# Altium PCB RaspberryHub.PcbDoc (part 1 of 2) (continued)
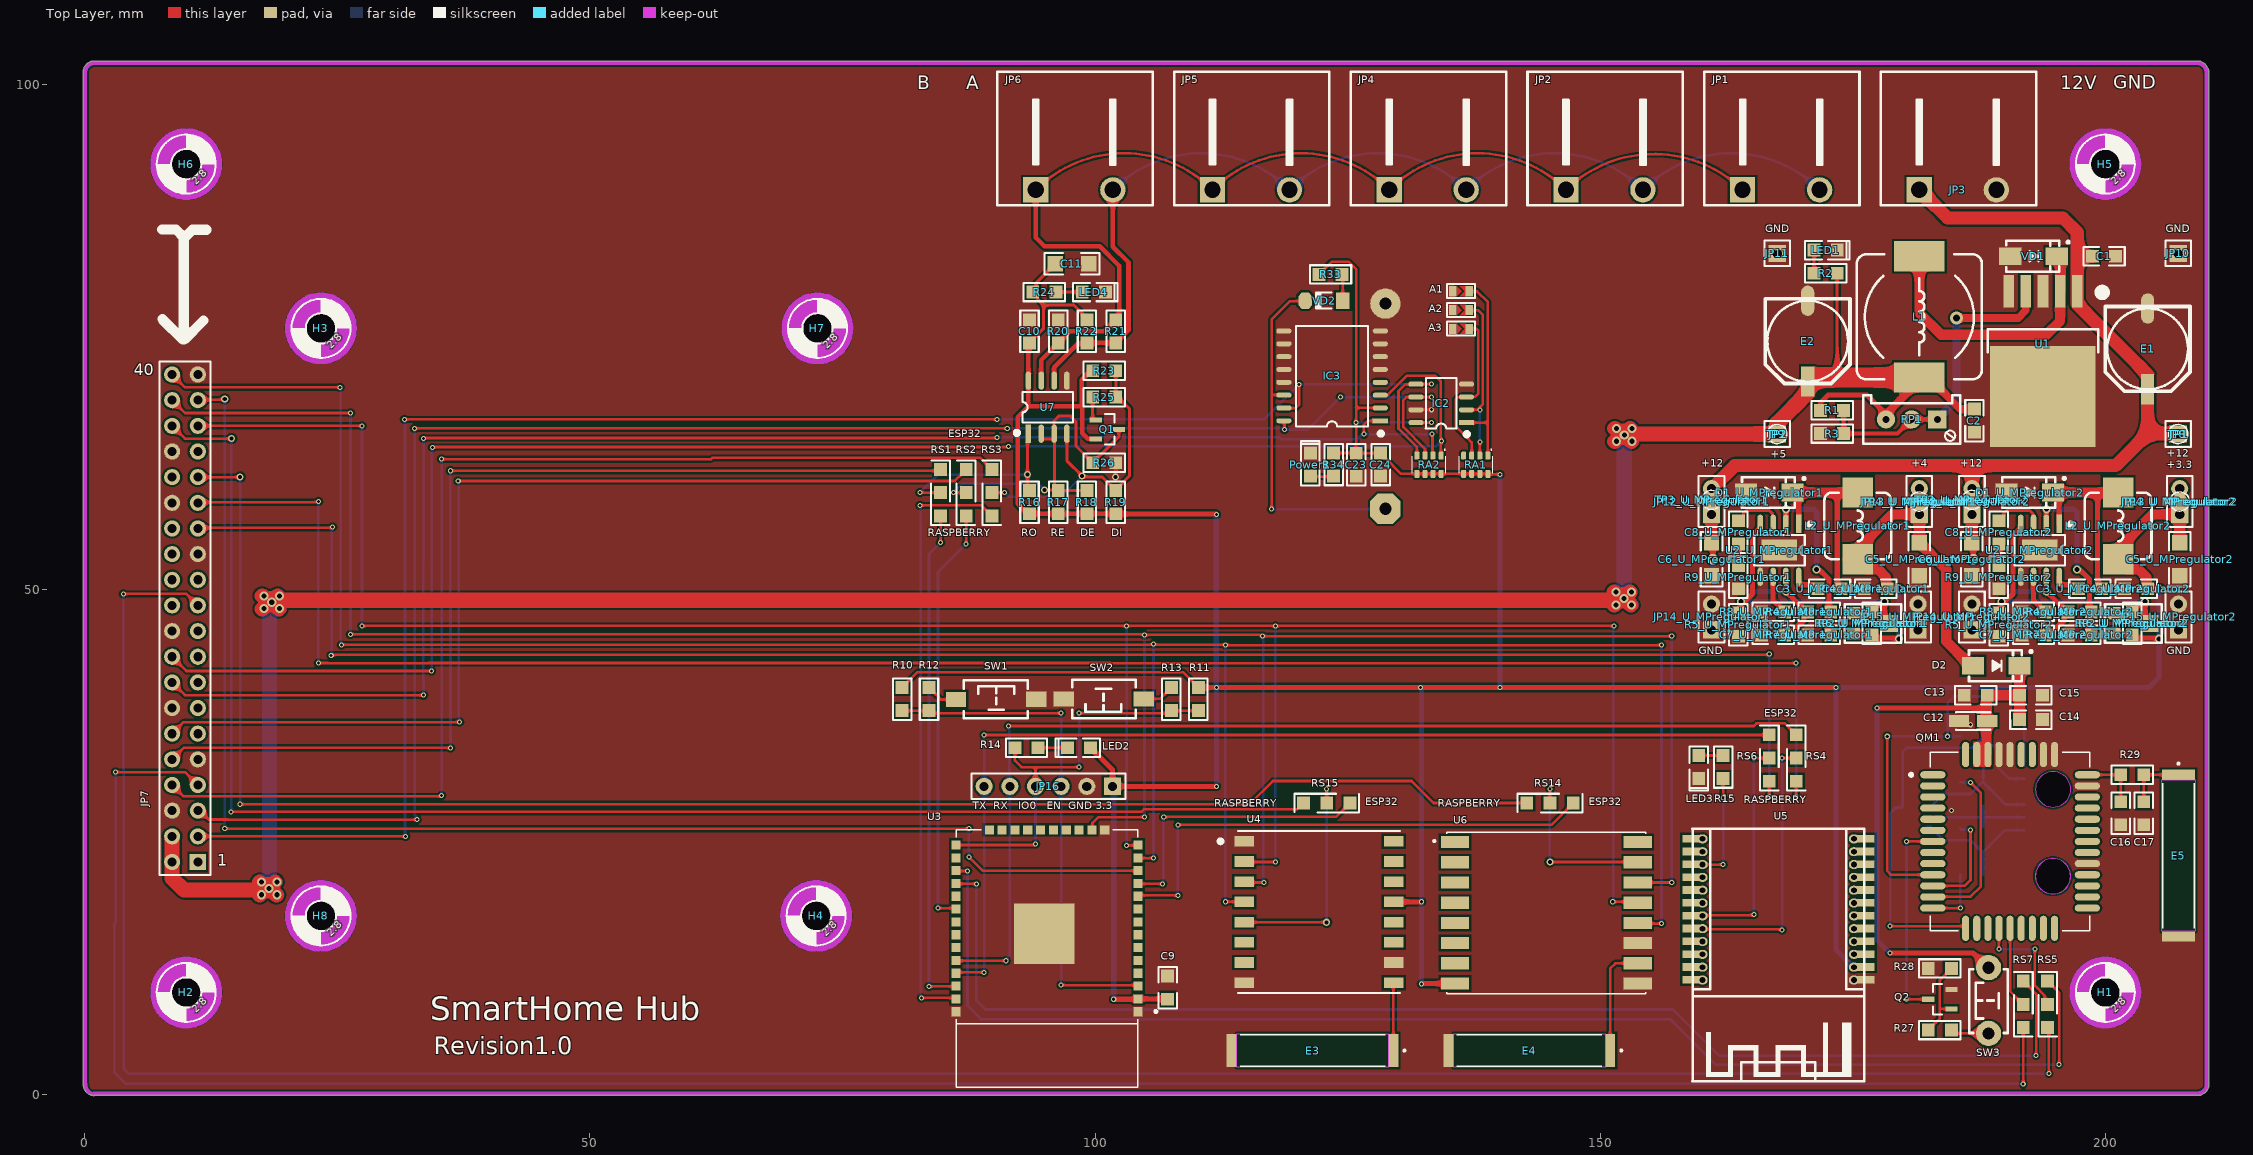
[diagram p0: Top Layer view]
## Components (designator, comment, footprint, x,y, rotation, side; value= is the part's Value field where it differs from the comment) (continued)
R3 "1K" "R 0805" 172.974,65.405 r0 top
R4_U_MPregulator1 "100K" "R 0805" 171.704,47.752 r180 top (schematic designator R4)
R4_U_MPregulator2 "100K" "R 0805" 197.485,47.752 r180 top (schematic designator R4)
R5_U_MPregulator1 "8.2K" "R 0805" 163.703,46.482 r90 top (schematic designator R5)
R5_U_MPregulator2 "8.2K" "R 0805" 189.484,46.482 r90 top (schematic designator R5)
R6_U_MPregulator1 "91K" "R 0805" 176.911,46.609 r270 top (schematic designator R6)
R6_U_MPregulator2 "91K" "R 0805" 202.692,46.609 r270 top (schematic designator R6)
R7_U_MPregulator1 "100K" "R 0805" 171.704,45.466 r180 top (schematic designator R7)
R7_U_MPregulator2 "100K" "R 0805" 197.485,45.466 r180 top (schematic designator R7)
R8_U_MPregulator1 "100K" "R 0805" 167.132,47.752 r0 top (schematic designator R8)
R8_U_MPregulator2 "100K" "R 0805" 192.913,47.752 r0 top (schematic designator R8)
R9_U_MPregulator1 "100K" "R 0805" 163.703,51.181 r90 top (schematic designator R9)
R9_U_MPregulator2 "100K" "R 0805" 189.484,51.181 r90 top (schematic designator R9)
R10 "10K" "R 0805" 80.899,39.116 r90 top
R11 "10K" "R 0805" 110.236,39.116 r90 top
R12 "1K" "R 0805" 83.566,39.116 r270 top
R13 "1K" "R 0805" 107.569,39.116 r270 top
R14 "1K" "R 0805" 93.218,34.29 r180 top
R15 "1K" "R 0805" 162.179,32.385 r90 top
R16 "10K" "R 0805" 93.515,58.614 r270 top
R17 "10K" "R 0805" 96.36,58.614 r270 top
R18 "10K" "R 0805" 99.206,58.614 r270 top
R19 "10K" "R 0805" 102.051,58.614 r270 top
R20 "120" "R 0805" 96.36,75.514 r270 top
R21 "120" "R 0805" 102.051,75.514 r270 top
R22 "120" "R 0805" 99.205,75.514 r90 top
R23 "220K" "R 0805" 100.915,71.614 r0 top
R24 "1K" "R 0805" 94.98,79.414 r0 top
R25 "7.5K" "R 0805" 100.915,69.014 r180 top
R26 "20K" "R 0805" 100.915,62.514 r180 top
R27 "4.7K" "R 0805" 183.642,6.35 r180 top
R28 "47K" "R 0805" 183.642,12.446 r0 top
R29 "Value" "R 0805" 202.692,31.623 r0 top
R30 "22" "R 0805" 186.817,30.861 r0 bottom
R31 "22" "R 0805" 186.817,26.289 r0 bottom
R32 "22" "R 0805" 186.817,21.717 r0 bottom
R33 "220" "R 0805" 123.317,81.153 r180 top
R34 "1K" "R 0805" 123.621,62.337 r90 top
RA1 "4.7K" "RA1206 (4x0603)" 137.696,62.312 r270 top
RA2 "4.7K" "RA1206 (4x0603)" 133.071,62.312 r270 top
RP1 "10K" 3296W 180.848,66.802 r180 top
RP2_U_MPregulator1 "50K" 3303W 176.911,46.609 r270 top (schematic designator RP2)
RP2_U_MPregulator2 "50K" 3303W 202.692,46.609 r270 top (schematic designator RP2)
RS1 "Resistor Selector" "RS 0805" 84.709,60.706 r270 top
RS2 "Resistor Selector" "RS 0805" 87.249,60.706 r270 top
RS3 "Resistor Selector" "RS 0805" 89.789,60.706 r270 top
RS4 "Resistor Selector" "RS 0805" 169.418,32.131 r90 top
RS5 "Resistor Selector" "RS 0805" 194.31,7.747 r90 top
RS6 "Resistor Selector" "RS 0805" 166.751,32.131 r90 top
RS7 "Resistor Selector" "RS 0805" 191.897,7.747 r90 top
RS14 "Resistor Selector" "RS 0805" 143.891,28.829 r0 top
RS15 "Resistor Selector" "RS 0805" 121.793,28.829 r0 top
"Sim Holder1" "Micro Sim Card" "Micro Sim Card" 209.483,35.662 r270 bottom
SW1 "3x6x5" "TSW SMD-3*6*2.5" 90.238,39.096 r0 top
SW2 "3x6x5" "TSW SMD-3*6*2.5" 100.838,39.116 r180 top
SW3 "3x6x5" "TSW DIP-3*6*5" 188.468,9.271 r90 top
TP1 "Test Point Pad" TP15 207.236,65.356 r180 top
TP2 "Test Point Pad" TP15 167.541,65.356 r180 top
TP3_U_MPregulator1 "Test Point Pad" TP15 161.036,58.835 r0 top (schematic designator TP3)
TP3_U_MPregulator2 "Test Point Pad" TP15 186.817,58.835 r0 top (schematic designator TP3)
TP4_U_MPregulator1 "Test Point Pad" TP15 181.61,58.674 r90 top (schematic designator TP4)
TP4_U_MPregulator2 "Test Point Pad" TP15 207.391,58.674 r90 top (schematic designator TP4)
U1 "LM2596-ADJ" TO263-5A 193.851,79.502 r180 top
U2_U_MPregulator1 "" SOP8_N-EP 167.767,53.848 r270 top (schematic designator U2)
U2_U_MPregulator2 "" SOP8_N-EP 193.548,53.848 r270 top (schematic designator U2)
U3 "ESP32S" ESP32S 126.566,26.196 r180 top
U4 "RFM95W-868S2" XCVR_RFM95W-868S2 122.174,18.034 r0 top
U5 "ZG-Mxx" ZG-M0/M1/M1E 176.172,26.297 r180 top
U6 "RFM69HW" RFM69HW 144.661,17.954 r0 top
U7 "MAX485" SOP8_N 95.315,68.014 r90 top
VD1 "SS34" SMA 192.913,82.962 r0 top
VD2 "1N4148" "MINI_MELF (LL34)" 122.671,78.562 r180 top

## Footprints (in the part's own frame and the unit in brackets; to place one, negate y for a bottom-side part, rotate by r counter-clockwise, add the part's x,y. Pads: shape width x height; smd on the part's side, far side on the other; paste and mask are expansions set on the pad)
3296W [mm] "Precise Multi-Winding Adjustable Resistor"
  rect 1.8x1.8 hole 0.7: 1(-2.54,0)
  round 1.8 hole 0.7: 2(2.54,0) ADJ(0,0)
  silkscreen extent -4.8,-2.4 4.8,2.4, body extent -4.75,-2.4 4.75,2.4, height 11.52
3303W [mm] "3.5*3.1*1.5mm"
  rect 1.2x1.3 smd: 1(-1,-1.8) 2(1,-1.8)
  rect 1.7x1.6 smd: ADJ(0,1.8)
  silkscreen extent -1.9,-2.7 1.9,2.9, body extent -1.55,-2.06 1.55,2.05, height 1.45
"C 0805" [mil] "ï؟½ق¼ï؟½ï؟½ï؟½ï؟½ï؟½ئ¬ï؟½ï؟½ï؟½ï؟½"
  rect 50x50 smd: 1(-45,0) 2(45,0)
  silkscreen extent -81,-36 81,36, body extent -39,-24 39,24, height 20
"C 1206" [mil] "ï؟½ق¼ï؟½ï؟½ï؟½ï؟½ï؟½ئ¬ï؟½ï؟½ï؟½ï؟½"
  rect 60x60 smd: 1(-65,0) 2(65,0)
  silkscreen extent -107,-42 107,42, body extent -63,-32 63,32, height 48
"CD A(3216)" [mm] "Capacitor, SM Tantalum; Body 3.2 x 1.6 mm (LxW typ)"
  rect 2x1.2 smd: 1(-1.4,0) 2(1.4,0)
  silkscreen extent -1.7,-0.9 1.7,0.9, body extent -1.6,-0.8 1.6,0.8, height 1.6
CDRH127 [mm] "12*12*8mmï؟½ï؟½ï؟½ï؟½ï؟½ï؟½ك£ï؟½"
  rect 3x5 smd: 1(-6,0) 2(6,0)
  silkscreen extent -6.2,-6.2 6.2,6.2, body extent -6,-6 6,6, height 7.8
Ceramic_915M [mm]
  rect 1x3.3 smd: 1(-8,0) 2(8,0)
  Keep-Out Layer region: 7.5,-1.65 -7.5,-1.65 -7.5,1.65 7.5,1.65
  Keep-Out Layer region: 7.5,-1.65 -7.5,-1.65 -7.5,1.65 7.5,1.65
  silkscreen extent -9.2,-1.55 7.17,1.55, body extent -8,-1.52 8,1.52, height 1.52
"CM E(8*10.2)" [mm] "ï؟½ï؟½ئ¬ï؟½ï؟½ï؟½ï؟½ï؟½ف£ï؟½ض±ï؟½ï؟½8mmï؟½ï؟½"
  rect 3x1.3 smd: 1(4,0)
  oval 3x1.3 smd: 2(-4,0)
  silkscreen extent -4.2,-4.2 4.2,4.2, body extent -4.5,-4.15 4.5,4.15, height 10.2
CR2032 [mm]
  oct 3x3 hole 1.2: 1(-10.151,0)
  round 3 hole 1.2: 2(10.152,0)
  silkscreen extent -12.19,-11.3 13.72,11.3, body extent -11.08,-11 13.42,11, height 8.5
ESP32S [mm] "ESP32S-Module"
  rect 0.9x0.9 smd: 1(22.301,18.034) 2(22.301,16.764) 3(22.301,15.494) 4(22.301,14.224) 5(22.301,12.954) 6(22.301,11.684) 7(22.301,10.414) 8(22.301,9.144) 9(22.301,7.874) 10(22.301,6.604) 11(22.301,5.334) 12(22.301,4.064) 13(22.301,2.794) 14(22.301,1.524) 15(25.601,0.034) 16(26.871,0.034) 17(28.141,0.034) 18(29.411,0.034) 19(30.681,0.034) 20(31.951,0.034) 21(33.221,0.034) 22(34.491,0.034) 23(35.761,0.034) 24(37.031,0.034) 25(40.335,1.524) 26(40.335,2.794) 27(40.335,4.064) 28(40.335,5.334) 29(40.335,6.604) 30(40.335,7.874) 31(40.335,9.144) 32(40.335,10.414) 33(40.335,11.684) 34(40.335,12.954) 35(40.335,14.224) 36(40.335,15.494) 37(40.335,16.764) 38(40.335,18.034)
  rect 6x6 smd: 39(31.601,10.3)
  silkscreen extent 20.44,0.03 40.32,25.53, body extent 22.31,0.02 40.31,25.52, height 2.84
HDR-1X1 [mm] "ï؟½ï؟½ï؟½ë£¬1ï؟½ï؟½"
  rect 1.7x1.7 hole 0.9: 1(0,0)
  silkscreen extent -1.27,-1.27 1.27,1.27, body extent -1.27,-1.27 1.27,1.27, height 8.5
HDR-1X2 [mm] "ï؟½ï؟½ï؟½ë£¬2ï؟½ï؟½"
  rect 1.7x1.7 hole 0.9: 1(0,0)
  round 1.7 hole 0.9: 2(2.54,0)
  silkscreen extent -1.27,-1.27 3.81,1.27, body extent -1.27,-1.27 3.81,1.27, height 8.5
HDR-1X6 [mm] "ï؟½ï؟½ï؟½ë£¬6ï؟½ï؟½"
  rect 1.7x1.7 hole 0.9: 1(0,0)
  round 1.7 hole 0.9: 2(2.54,0) 3(5.08,0) 4(7.62,0) 5(10.16,0) 6(12.7,0)
  silkscreen extent -1.27,-1.27 13.97,1.27, body extent -1.27,-1.27 13.97,1.27, height 8.5
HDR-20X2 [mm] "ث«ï؟½ï؟½ï؟½ï؟½ï؟½ë£¬20x2ï؟½ï؟½"
  rect 1.6x1.6 hole 0.9: 1(0,0)
  round 1.6 hole 0.9: 2(0,2.54) 3(2.54,0) 4(2.54,2.54) 5(5.08,0) 6(5.08,2.54) 7(7.62,0) 8(7.62,2.54) 9(10.16,0) 10(10.16,2.54) 11(12.7,0) 12(12.7,2.54) 13(15.24,0) 14(15.24,2.54) 15(17.78,0) 16(17.78,2.54) 17(20.32,0) 18(20.32,2.54) 19(22.86,0) 20(22.86,2.54) 21(25.4,0) 22(25.4,2.54) 23(27.94,0) 24(27.94,2.54) 25(30.48,0) 26(30.48,2.54) 27(33.02,0) 28(33.02,2.54) 29(35.56,0) 30(35.56,2.54) 31(38.1,0) 32(38.1,2.54) 33(40.64,0) 34(40.64,2.54) 35(43.18,0) 36(43.18,2.54) 37(45.72,0) 38(45.72,2.54) 39(48.26,0) 40(48.26,2.54)
  silkscreen extent -1.27,-1.27 49.53,3.81, body extent -1.27,-1.27 49.53,3.81, height 8.5
KF2EDGK-2P_H_7.62 [mm] "ï؟½ï؟½ا²ï؟½ï؟½ت½ï؟½ï؟½ï؟½ï؟½"
  rect 2.5x2.5 hole 1.6: 1(0,0)
  round 2.5 hole 1.6: 2(7.625,0)
  silkscreen extent -3.8,-1.52 11.58,11.7, body extent -3.78,-0.61 11.47,11.59, height 8.04
"LED 0805B" [mil] "ï؟½ï؟½ة«0805LED"
  rect 50x50 smd: 1(-45,0) 2(45,0)
  silkscreen extent -81,-36 92,36, body extent -39,-25 39,25, height 32
"LED 0805R" [mil] "ï؟½ï؟½ة«0805LED"
  rect 50x50 smd: 1(-45,0) 2(45,0)
  silkscreen extent -81,-36 92,36, body extent -39,-25 39,25, height 32
"Micro Sim Card" [mm] "SI32C-01203-6Pin"
  rect 0.9x1.35 smd: C1(4.445,17.501) C2(6.985,17.501) C3(9.525,17.501) C5(3.175,17.501) C6(5.715,17.501) C7(8.255,17.501) CD(10.795,17.501)
  rect 1.55x3.2 smd: GND(1.626,14.896) GND(1.626,2.346) GND(17.424,2.346) GND(17.424,14.896)
  silkscreen extent 1.62,0.36 17.37,18.26
"MINI_MELF (LL34)" [mm] "1.5*3.4mm(Ö±ï¿½ï¿½ï¿½ï¿½ï¿½Å¾à£©"
  rect 1.37x1.62 smd: 1(-1.855,0)
  oct 1.37x1.62 smd: 2(1.855,0)
  silkscreen extent -0.76,-0.8 0.78,0.8, body extent -1.7,-0.75 1.7,0.75, height 1.5
P2.8 [mm] "MOUNTING HOLE 2.8 mm with drill center"
  round 0 hole 2.8 unplated: MH(0,0)
  Keep-Out Layer circle w2.032: c0,0 r2.54
  silkscreen extent -2.92,-2.92 2.92,2.92
"Quectel M66FB" [mm]
  oval 0.7x2.5 smd: 1(4.568,-1.24) 2(3.468,-1.24) 3(2.368,-1.24) 4(1.268,-1.24) 5(0.168,-1.24) 6(-0.932,-1.24) 7(-2.032,-1.24) 8(-3.132,-1.24) 9(-4.232,-1.24) 10(-5.332,-1.24) 11(-6.432,-1.24) 12(-7.532,-1.24) 13(-8.632,-1.24) 23(-8.632,-16.54) 24(-7.532,-16.54) 25(-6.432,-16.54) 26(-5.332,-16.54) 27(-4.232,-16.54) 28(-3.132,-16.54) 29(-2.032,-16.54) 30(-0.932,-16.54) 31(0.168,-16.54) 32(1.268,-16.54) 33(2.368,-16.54) 34(3.468,-16.54) 35(4.568,-16.54)
  oval 2.5x0.7 smd: 14(-10.632,-4.49) 15(-10.632,-5.59) 16(-10.632,-6.69) 17(-10.632,-7.79) 18(-10.632,-8.89) 19(-10.632,-9.99) 20(-10.632,-11.09) 21(-10.632,-12.19) 22(-10.632,-13.29) 36(6.568,-13.29) 37(6.568,-12.19) 38(6.568,-11.09) 39(6.568,-9.99) 40(6.568,-8.89) 41(6.568,-7.79) 42(6.568,-6.69) 43(6.568,-5.59) 44(6.568,-4.49)
  Keep-Out Layer board cut-out: -7.218,-13.131 -7.085,-13.801 -6.705,-14.368 -6.138,-14.748 -5.468,-14.881 -5.468,-14.881 -4.798,-14.748 -4.23,-14.368 -3.851,-13.801 -3.718,-13.131 -3.718,-13.131 -3.851,-12.461 -4.23,-11.893 -4.798,-11.514 -5.468,-11.381 -5.468,-11.381 -6.138,-11.514 -6.705,-11.893 -7.085,-12.461 -7.218,-13.131
  Keep-Out Layer board cut-out: 1.368,-13.14 1.501,-13.81 1.881,-14.377 2.448,-14.757 3.118,-14.89 3.118,-14.89 3.788,-14.757 4.355,-14.377 4.735,-13.81 4.868,-13.14 4.868,-13.14 4.735,-12.47 4.355,-11.903 3.788,-11.523 3.118,-11.39 3.118,-11.39 2.448,-11.523 1.881,-11.903 1.501,-12.47 1.368,-13.14
  Keep-Out Layer circle w0: c-5.482,-13.14 r1.75
  Keep-Out Layer circle w0: c3.118,-13.14 r1.75
  silkscreen extent -10.88,-16.79 6.82,1.06, body extent -12.16,-18 8.09,0.25
"R 0805" [mm] "1/8Wï؟½ï؟½ئ¬ï؟½ï؟½ï؟½ï؟½"
  rect 1.27x1.27 smd: 1(-1.143,0) 2(1.143,0)
  silkscreen extent -2.05,-0.91 2.05,0.91, body extent -1,-0.62 1,0.63, height 0.5
"RA1206 (4x0603)" [mm]
  rrect50% 0.8x0.5 smd: 1(-0.9,1.2) 2(-0.9,0.4) 3(-0.9,-0.4) 4(-0.9,-1.2) 5(0.9,-1.2) 6(0.9,-0.4) 7(0.9,0.4) 8(0.9,1.2)
  silkscreen extent -1.55,-1.65 0.85,1.65, body extent -0.8,-1.6 0.8,1.6, height 0.5
RFM69HW [mm]
  rect 2.81x1.21 smd: 1(-9.025,7) 2(-9.025,5) 3(-9.025,3) 4(-9.025,1) 5(-9.025,-1) 6(-9.025,-3) 7(-9.025,-5) 8(-9.025,-7) 9(9.075,-7) 10(9.075,-5) 11(9.075,-3) 12(9.075,-1) 13(9.075,1) 14(9.075,3) 15(9.075,5) 16(9.075,7)
  silkscreen extent -11.17,-8 9.88,8, body extent -9.8,-7.97 9.9,8.03, height 1.9
"RS 0805" [mil]
  rect 50x50 smd: 1(-45,0) 2(136,0) 3(45,0)
  silkscreen extent -81,-37 172,36, body extent -39,-25 39,25, height 20
SMA [mm] "4.5x2.6*2.2mmï؟½ï؟½ï؟½ï؟½ï؟½ï؟½ك£ï؟½ï؟½ï؟½ï؟½ï؟½ï؟½ï؟½ï؟½ï؟½ï؟½إ£ï؟½"
  rect 2.2x1.75 smd: 1(-2.3,0) 2(2.3,0)
  silkscreen extent -2.7,-1.52 3.56,1.52, body extent -2.53,-1.3 2.58,1.3, height 2.15
"Solder Bridge" [mil]
  rect 30x40 smd: 1(-57,0) 2(7,0)
  Top Layer region: -42,20 -21.71,0.03 -42,-20
  Top Layer region: -30.57,20 -10,0 -30.57,-20 -6.22,-20 -6.22,20
  silkscreen extent -79,-27 30,28
SOP8_L [mm] "5*6*1.8mmï¿½ï¿½ï¿½ï¿½ï¿½ï¿½ß£ï¿½"
  rect 1.5x0.5 smd: 1(-2.5,1.905)
  oval 1.5x0.5 smd: 2(-2.5,0.635) 3(-2.5,-0.635) 4(-2.5,-1.905) 5(2.5,-1.905) 6(2.5,-0.635) 7(2.5,0.635) 8(2.5,1.905)
  silkscreen extent -2.69,-2.5 1.52,3.2, body extent -3,-2.5 3,2.5, height 1.9
SOP8_N [mm] "5*6*1.8mmï؟½ï؟½ï؟½ï؟½ï؟½ï؟½ك£ï؟½"
  rect 1.8x0.55 smd: 1(-2.625,1.905)
  oval 1.8x0.55 smd: 2(-2.625,0.635) 3(-2.625,-0.635) 4(-2.625,-1.905) 5(2.625,-1.905) 6(2.625,-0.635) 7(2.625,0.635) 8(2.625,1.905)
  silkscreen extent -2.69,-2.5 1.52,3.2, body extent -3,-2.5 3,2.5, height 1.9
SOP8_N-EP [mm] "5*6*1.8mmï؟½ï؟½ï؟½ï؟½ï؟½ï؟½ك£ï؟½"
  rect 1.8x0.55 smd: 1(-2.625,1.905)
  oval 1.8x0.55 smd: 2(-2.625,0.635) 3(-2.625,-0.635) 4(-2.625,-1.905) 5(2.625,-1.905) 6(2.625,-0.635) 7(2.625,0.635) 8(2.625,1.905)
  rect 2.1x3.5 smd: 9(-0.015,-0.011)
  silkscreen extent -2.69,-2.5 1.52,3.2, body extent -3,-2.5 3,2.5, height 1.9
SOP16W_L [mm] "10.3*10.3*2.6mmï¿½ï¿½ï¿½ï¿½ï¿½ï¿½ß£ï¿½"
  rect 1.5x0.5 smd: 1(-4.775,4.445)
  oval 1.5x0.5 smd: 2(-4.775,3.175) 3(-4.775,1.905) 4(-4.775,0.635) 5(-4.775,-0.635) 6(-4.775,-1.905) 7(-4.775,-3.175) 8(-4.775,-4.445) 9(4.775,-4.445) 10(4.775,-3.175) 11(4.775,-1.905) 12(4.775,-0.635) 13(4.775,0.635) 14(4.775,1.905) 15(4.775,3.175) 16(4.775,4.445)
  silkscreen extent -4.98,-4.95 3.56,5.87, body extent -5.15,-5.15 5.15,5.15, height 2.7
SOT23-3N [mm] "3x1.3x1mm(ï؟½ï؟½ï؟½ï؟½ï؟½)"
  rect 0.5x1.2 smd: 1(-0.95,-1.143) 2(0.95,-1.143) 3(0,1.143)
  silkscreen extent -1.5,-0.2 1.5,0.7, body extent -1.5,-1.2 1.5,1.2, height 1.05
SOT23-6L [mm] "3x1.6x1.1mm(ï؟½ï؟½ï؟½ï؟½ï؟½)"
  rect 0.45x1 smd: 1(-0.95,-1.397) 2(0,-1.397) 3(0.95,-1.397) 4(0.95,1.397) 5(0,1.397) 6(-0.95,1.397)
  silkscreen extent -1.77,-1.78 1.55,0.51, body extent -1.5,-1.4 1.5,1.4, height 1.15
TO263-5A [mm] "263ï؟½ï؟½5ï؟½إ¾ï؟½ï؟½ï؟½ï؟½"
  rect 1.05x3.2 smd: 1(-3.4,0) 2(-1.7,0) 3(0,0) 4(1.7,0) 5(3.4,0)
  rect 10.45x10 smd: 3(0,10.414)
  silkscreen extent -6.24,-0.25 5.46,6.04, body extent -5,-0.01 5,13.32, height 4.5
TP15 [mm] "Round SMD Test Pin; 1.5 mm"
  round 1.5 smd: 1(0,0)
  silkscreen extent -0.95,-0.95 0.95,0.95
"TSW DIP-3*6*5" [mm] "3*6*5mm"
  round 2.5 hole 1.2: 1(3.25,0) 2(-3.25,0)
  silkscreen extent -3.21,-1.9 3.09,1.9, body extent -3.91,-1.75 3.91,1.75, height 5.01
"TSW SMD-3*6*2.5" [mm] "3*6*2.5mm"
  rect 2x1.5 smd: 1(-3.996,-0.02) 2(3.937,0)
  silkscreen extent -3.21,-1.9 3.09,1.9, body extent -4,-1.88 4,1.62, height 2.59
WHC0630 [mm] "6.6*6.6*3.4mmï؟½ï؟½ï؟½ï؟½ï؟½ï؟½ك£ï؟½"
  rect 3x3 smd: 1(-3.302,0) 2(3.302,0)
  silkscreen extent -3.3,-3.3 3.3,3.3, body extent -3.3,-3.3 3.3,3.3, height 3.2
XCVR_RFM95W-868S2 [mm]
  rect 1.95x1.05 smd: 1(-7.4,7) 2(-7.4,5) 3(-7.4,3) 4(-7.4,1) 5(-7.4,-1) 6(-7.4,-3) 7(-7.4,-5) 8(-7.4,-7) 9(7.4,-7) 10(7.4,-5) 11(7.4,-3) 12(7.4,-1) 13(7.4,1) 14(7.4,3) 15(7.4,5) 16(7.4,7)
  silkscreen extent -10.04,-8 8,8, body extent -7.98,-8.08 8.02,7.92, height 2.05
ZG-M0/M1/M1E [mil]
  rect 80x30 smd: A1(0,589.52) A2(0,539.52) A3(0,489.52) A4(0,439.52) A5(0,389.52) A6(0,339.52) A7(0,289.52) A8(0,239.52) A9(0,189.52) A10(0,139.52) A11(0,89.52) A12(0,39.52) B1(669.29,589.52) B2(669.29,539.52) B3(669.29,489.52) B4(669.29,439.52) B5(669.29,389.52) B6(669.29,339.52) B7(669.29,289.52) B8(669.29,239.52) B9(669.29,189.52) B10(669.29,139.52) B11(669.29,89.52) B12(669.29,39.52)
  oval 40x35 hole 22: A1(40.54,590.3) A2(40.54,540.3) A3(40.54,490.3) A4(40.54,440.3) A5(40.54,390.3) A6(40.54,340.3) A7(40.54,290.3) A8(40.54,240.3) A9(40.54,190.3) A10(40.54,140.3) A11(40.54,90.3) A12(40.54,40.3) B1(630.91,590.3) B2(630.91,540.3) B3(630.91,490.3) B4(630.91,440.3) B5(630.91,390.3) B6(630.91,340.3) B7(630.91,290.3) B8(630.91,240.3) B9(630.91,190.3) B10(630.91,140.3) B11(630.91,90.3) B12(630.91,40.3)
  silkscreen extent 0,0 670,985

## Part data
Battery1: "Mini Battery"
C1 C2 C3_U_MPregulator1 C3_U_MPregulator2 C4_U_MPregulator1 C4_U_MPregulator2 C5_U_MPregulator1 C5_U_MPregulator2 C6_U_MPregulator1 C6_U_MPregulator2 C7_U_MPregulator1 C7_U_MPregulator2 C8_U_MPregulator1 C8_U_MPregulator2 C9 C10 C11 C13 C14 C15 C16 C17 C18 C19 C20 C21 C22 C23 C24: library part C, "Non-polar patch capacitor", BOM名称=无极性贴片电容, 学习资源=www.ooocke.com, 版权归属=源创客
C12: library part C-CD, "Solid Tantalum Chip Capacitor, Standard T491 Series - Industrial Grade", PackageDocument=Mar-2001, Code_JEITA=3528-21, ComponentLink1Description="Manufacturer Link", ComponentLink1URL=http://www.kemet.com/, ComponentLink2Description=Datasheet, ComponentLink2URL=http://www.kemet.com/kemet/web/homepage/kechome.nsf/vapubfilesname/F3102TA.pdf/$file/F3102TA.pdf, DatasheetDocument=Mar-2001, LatestRevisionDate=19-Mar-2004, LatestRevisionNote="Silkscreen dimensions re-sized.", PackageReference=B, Published=17-Jul-2002, Publisher="Altium Limited"
D1_U_MPregulator1 D1_U_MPregulator2 VD1: "Schottky diodes", BOM名称=肖特基二极管, 学习资源=www.ooocke.com, 属性=40V/3A, 版权归属=源创客
D2: "Rectifier diode", BOM名称=整流二极管, 学习资源=www.ooocke.com, 版权归属=源创客
E1 E2: library part C-CM, "Chip electrolytic capacitor", BOM名称=贴片电解电容, 学习资源=www.ooocke.com, 版权归属=源创客
H1 H2 H3 H4 H5 H6 H7 H8: library part MOUNT-HOLE, "MOUNTING HOLE with drill center marker", Rule="Clearance Constraint [Clearance = 0mm]"
IC1: "ESD Protection Diode Array, 5-Line"
IC2: "Two-wire Serial EEPROM", BOM名称=外置EEPROM, 学习资源=www.ooocke.com, 版权归属=源创客
IC3: "Real time clock chip"
JP1 JP2 JP3 JP4 JP5 JP6 JP12_U_MPregulator1 JP12_U_MPregulator2 JP13_U_MPregulator1 JP13_U_MPregulator2 JP14_U_MPregulator1 JP14_U_MPregulator2 JP15_U_MPregulator1 JP15_U_MPregulator2: library part "Header 2", "2P Connector", BOM名称=2P接插件, 学习资源=www.ooocke.com, 版权归属=源创客
JP7: library part "Header 20X2", "20*2P Connector", BOM名称=20*2P接插件, 学习资源=www.ooocke.com, 版权归属=源创客
JP8 JP9 JP10 JP11: library part "Header 1", "1P Connector", BOM名称=1P接插件, 学习资源=www.ooocke.com, 版权归属=源创客
JP16: library part "Header 6", "6P Connector", BOM名称=6P接插件, 学习资源=www.ooocke.com, 版权归属=源创客
L1: library part L-CDRH, "Power shielded inductor", BOM名称=功率屏蔽电感, 学习资源=www.ooocke.com, 版权归属=源创客
L2_U_MPregulator1 L2_U_MPregulator2: library part L-WHC, "One-piece high current inductor"
LED1 LED2 LED3 LED4 Power1: "Patch LED", BOM名称=贴片LED, 学习资源=www.ooocke.com, 版权归属=源创客
Q1: library part 8550-SMD, "High Frequency Amplifier-PNP", BOM名称=高频放大-PNP型, 学习资源=www.ooocke.com, 属性="40V 1.5A 1W 100MHZ", 版权归属=源创客
Q2: library part 8050-SMD, "High frequency amplification-NPN", BOM名称=高频放大-NPN型, 学习资源=www.ooocke.com, 属性="40V 1.5A 1W 100MHZ", 版权归属=源创客
QM1: library part "Quectel M66", Package=None, Availability=Unavailable, MF=Quectel, MP=M66FB-03-STD, Price=None, SnapEDA_Link=https://www.snapeda.com/parts/M66FB-03-STD/Quectel/view-part/?ref=snap
R1 R2 R3 R4_U_MPregulator1 R4_U_MPregulator2 R5_U_MPregulator1 R5_U_MPregulator2 R6_U_MPregulator1 R6_U_MPregulator2 R7_U_MPregulator1 R7_U_MPregulator2 R8_U_MPregulator1 R8_U_MPregulator2 R9_U_MPregulator1 R9_U_MPregulator2 R10 R11 R12 R13 R14 R15 R16 R17 R18 R19 R20 R21 R22 R23 R24 R25 R26 R27 R28 R29 R30 R31 R32 R33 R34: library part R, "Chip resistor", BOM名称="Chip resistor", 学习资源=www.ooocke.com, 版权归属=源创客
  R6_U_MPregulator1 R6_U_MPregulator2: Rule="Component Clearance Constraint [Horizontal Clearance = 0mil    Vertical Clearance = 0mil]"
RA1 RA2: library part R-ARR, "4 way Chip Resistor Array"
RP1: library part RP-THD, "Plug-in potentiometer", BOM名称=插件电位器, 学习资源=www.ooocke.com, 版权归属=源创客
RP2_U_MPregulator1 RP2_U_MPregulator2: library part RP-SMD, "Chip potentiometer", BOM名称=贴片电位器, Rule="Component Clearance Constraint [Horizontal Clearance = 0mil    Vertical Clearance = 0mil]", 学习资源=www.ooocke.com, 版权归属=源创客
"Sim Holder1": "SIMCARD 6PIN"
SW1 SW2 SW3: library part "TSW 3x6", "3x6 tact switch", BOM名称=3x6轻触开关, 学习资源=www.ooocke.com, 版权归属=源创客
U1: library part LM2596, "DC step-down chip", BOM名称=DC稳压芯片, 学习资源=www.ooocke.com, 版权归属=源创客
U2_U_MPregulator1 U2_U_MPregulator2: library part MP1584, "DC step-down chip"
U3: Package="Module Espressif Systems", Availability=Unavailable, MF="Espressif Systems", MP=ESP32-WROOM-32D, Price=None, SnapEDA_Link=https://www.snapeda.com/parts/ESP32-WROOM-32D/Espressif%20Systems/view-part/?ref=snap
U4: "General ISM < 1GHz LoRa Transceiver Module 868MHz Antenna Not Included Surface Mount", Package="SMD-16 Hope Microelectronics", Availability=Unavailable, MF=RF, MP=RFM95W-868S2, Price=None, SnapEDA_Link=https://www.snapeda.com/parts/RFM95W-868S2/RF%20Solutions/view-part/329180/?ref=snap
U5: "Zigbee Ghostyu"
U7: "RS485/RS422 Transceivers", BOM名称=MAX232, 学习资源=www.ooocke.com, 版权归属=源创客
VD2: "High speed switching diode", BOM名称=高速开关二极管, 学习资源=www.ooocke.com, 版权归属=源创客
TP1 TP2: Category=MISC, Company="SJ Libraries", ComponentLink1Description=Datasheet, Designer="Eng. Saeid Jorablo", HelpURL=http://s3.picofile.com/file/7443264187/Coming_Soon_logo.gif, Mounting Technology="Surface Mount\Through-Hole", Pin Count=0, Rule="Component Clearance Constraint [Horizontal Clearance = 0mil    Vertical Clearance = 0mil]", Update Date=6/3/2012
TP3_U_MPregulator1 TP3_U_MPregulator2 TP4_U_MPregulator1 TP4_U_MPregulator2: Category=MISC, Company="SJ Libraries", ComponentLink1Description=Datasheet, Designer="Eng. Saeid Jorablo", HelpURL=http://s3.picofile.com/file/7443264187/Coming_Soon_logo.gif, Mounting Technology="Surface Mount\Through-Hole", Pin Count=0, Update Date=6/3/2012

## Via types
v1: diameter 0.5, hole 0.3, Top Layer to Bottom Layer, tented both sides, 131 vias
v2: diameter 0.9, hole 0.5, Top Layer to Bottom Layer, tented both sides, 20 vias
v3: diameter 0.8, hole 0.5, Top Layer to Bottom Layer, tented both sides, 16 vias
v4: diameter 0.7, hole 0.4, Top Layer to Bottom Layer, tented both sides, 9 vias
v5: diameter 1, hole 0.5, Top Layer to Bottom Layer, tented both sides, 2 vias
v6: diameter 1.27, hole 0.711, Top Layer to Bottom Layer, tented both sides, 1 vias

## Nets (pads, with @x,y where several pads share a name; then routed paths per layer and width w, separated by ;. In a path a pad name is that pad's centre, name@x,y a point inside that pad or via, vN(x,y) a via of type N, cw(c..) or ccw(c..) an arc to the next point about the centre after c; other vN are vias at no path point)
32kHz: IC3.1 JP7.16 RA2.2 | length 155.9
  Top Layer w0.254: JP7.16@8.636,40.767 9.906,39.497 v1(33.528,39.497) ; v1(33.528,64.897) 33.591,64.96 90.233,64.96 v1(90.297,65.024) ; v1(126.621,65.337) 126.621,66.287 127.001,66.667 IC3.1@128.246,66.667 ; v1(133.346,65.337) 133.412,65.271 133.412,63.271 RA2.2@133.471,63.212
  Bottom Layer w0.254: v1(33.528,39.497) 33.528,40.811 33.513,40.826 33.513,52.705 33.528,52.72 v1(33.528,64.897) ; v1(90.297,65.024) 118.26,65.024 118.449,64.835 125.944,64.835 126.446,65.337 v1(133.346,65.337)
485_A: JP1.2 JP2.2 JP4.2 JP5.2 JP6.2 R21.2 R22.1 U7.6 | length 102.7
  Top Layer w0.45: U7.6@95.95,70.639 95.96,70.649 95.96,71.957 98.298,74.295 R22.1@99.187,74.295 ; R22.1@98.99,74.156 R22.1@99.205,74.371 R21.2@102.051,74.371 103.315,75.635 103.315,82.359 101.761,83.913 JP6.2@101.761,89.535
  Bottom Layer w0.254: JP6.2@101.761,89.535 cw(c110.508,80.788) JP5.2@119.255,89.535 cw(c128.003,80.788) JP4.2@136.75,89.535 cw(c145.498,80.788) JP2.2@154.245,89.535 cw(c162.993,80.788) JP1.2@171.74,89.535
485_B: JP1.1 JP2.1 JP4.1 JP5.1 JP6.1 R20.2 R21.1 U7.7 | length 108.8
  Top Layer w0.254: JP6.1@94.136,89.535 cw(c102.883,80.788) JP5.1@111.631,89.535 cw(c120.378,80.788) JP4.1@129.125,89.535 cw(c137.873,80.788) 146.62,89.535 cw(c155.352,80.549) JP1.1@164.338,89.281
  Top Layer w0.45: JP6.1@94.136,89.535 94.136,84.807 94.996,83.947 100.463,83.947 102.415,81.995 102.415,77.021 102.233,76.839 R21.1@102.051,76.657 100.908,75.514 97.515,75.514 R20.2@96.366,74.365 ; U7.7@94.67,70.555 94.67,72.681 R20.2@96.36,74.371
485_DE: Q1.3 R17.1 R18.1 R26.2 RS2.3 U7.2 U7.3 | length 35.4
  Top Layer w0.254: v1(85.994,59.563) RS2.3@87.249,59.563
  Top Layer w0.3: U7.2@94.68,65.389 94.68,64.994 94.795,64.878 U7.3@95.835,64.878 ; v4(94.996,59.817) 95.875,59.817 95.97,59.912 R17.1@95.97,60.147 ; U7.3@95.95,65.394 95.95,66.649 96.461,67.16 97.559,67.16 98.115,66.604 98.115,64.171 R26.2@99.772,62.514 102.358,65.1 Q1.3@102.358,65.814 ; U7.3@95.97,65.394 95.97,64.878 R17.1@95.97,60.147 ; R18.1@99.205,59.757 R17.1@96.36,59.757 R17.1@95.97,60.147
  Bottom Layer w0.254: v1(85.994,59.563) 86.883,60.452 94.361,60.452 v4(94.996,59.817)
485_DI: R19.1 R23.2 R25.1 RS3.3 U7.4 | length 32.6
  Top Layer w0.254: RS3.3@89.789,59.563 v1(91.059,59.563) ; R19.1@101.715,59.757 101.782,59.69 R19.1@102.051,59.69
  Top Layer w0.3: U7.4@97.215,65.532 97.215,62.714 v4(98.715,61.214) ; v4@98.715,61.114 100.694,61.114 101.883,59.925 R19.1@102.051,59.757 ; R19.1@101.715,59.757 102.2,60.242 102.443,60.242 103.415,61.214 103.415,67.857 102.058,69.214 R23.2@102.058,71.614 R23.2@102.058,71.814
  Bottom Layer w0.254: v1(91.059,59.563) 91.105,59.563 91.528,59.14 96.641,59.14 v4(98.715,61.214)
485_RO: R16.1 RS1.3 U7.1 | length 19.1
  Top Layer w0.254: v1(82.677,59.563) RS1.3@84.709,59.563
  Top Layer w0.3: R16.1@93.315,59.757 93.315,65.294 U7.1@93.41,65.389
  Bottom Layer w0.254: v1(82.677,59.563) 84.455,61.341 v4(93.315,61.341)
+3.3OUT: JP7.1 JP7.17
+5: C2.2 E2.1 JP7.2 JP7.4 JP9.1 L1.2 R1.2 R2.2 RP1.2 TP2.1 | length 276.7
  Top Layer w0.3: 173.482,70.962 R2.2@173.482,81.28
  Top Layer w0.5: R1.2@171.831,67.691 171.831,68.453 172.593,69.215 176.403,69.215 RP1.2@178.308,67.31
  Top Layer w0.762: RP1.2@178.308,67.31 L1.2@181.547,70.549 ; L1.2@181.61,70.962 182.53,70.962 185.674,67.818 C2.2@187.071,67.818
  Top Layer w1.5: JP7.4@8.636,25.527 JP7.2@8.636,22.987 8.636,21.377 9.808,20.205 v2@18.264,20.205 ; v2@17.298,19.726 17.743,20.171 ; v2@17.298,20.996 v2@18.06,20.234 ; v2@17.552,48.047 17.997,48.492 ; v2@17.552,49.317 v2@18.314,48.555 ; v2@17.869,20.338 17.917,20.29 v2@18.034,20.193 ; v2@18.123,48.659 18.171,48.611 v2@18.288,48.514 ; v2@18.187,20.361 v2@18.822,20.996 ; v2@18.314,20.361 v2@18.949,19.726 ; v2@18.441,48.682 v2@19.076,49.317 ; v2@18.568,48.682 v2@19.203,48.047 ; 19.558,48.895 151.257,48.895 ; v2@151.41,48.428 151.855,48.873 ; v2@151.41,49.698 v2@152.172,48.936 ; v2@151.456,64.625 151.9,65.069 ; v2@151.456,65.895 v2@152.218,65.133 ; v2@151.981,49.04 152.029,48.992 v2@152.146,48.895 ; v2@152.027,65.237 152.075,65.189 v2@152.192,65.092 ; v2@152.299,49.063 v2@152.934,49.698 ; v2@152.345,65.26 v2@152.98,65.895 ; v2@152.426,49.063 v2@153.061,48.428 ; v2@152.472,65.26 v2@153.107,64.625 ; 153.719,65.356 JP9.1@167.541,65.356
  Top Layer w1.524: 167.513,66.421 170.561,69.469 E2.1@170.561,70.549
  Top Layer w2: v2@18.105,20.494 v2(18.242,20.379) ; v2@18.359,48.815 v2(18.496,48.7) ; v2@152.217,49.196 v2(152.354,49.081) ; v2@152.263,65.393 v2(152.4,65.278) ; E2.1@170.974,70.962 173.482,70.962 L1.2@181.61,70.962
  Bottom Layer w1.5: v2@17.353,19.744 17.798,20.189 ; v2@17.353,21.014 18.115,20.252 v2(18.242,20.379) v2@18.877,21.014 ; v2@17.607,48.065 18.052,48.51 ; v2@17.607,49.335 18.369,48.573 v2(18.496,48.7) v2@19.131,49.335 ; v2@18.288,20.447 18.288,47.625 ; v2@18.369,20.379 v2(19.004,19.744) ; v2@18.623,48.7 v2(19.258,48.065) ; v2@151.465,48.446 151.91,48.891 ; v2@151.465,49.716 152.227,48.954 v2(152.354,49.081) v2@152.989,49.716 ; v2@151.511,64.643 151.956,65.087 ; v2@151.511,65.913 152.273,65.151 v2(152.4,65.278) v2@153.035,65.913 ; 152.4,50.546 152.4,63.881 ; v2@152.481,49.081 v2(153.116,48.446) ; v2@152.527,65.278 v2(153.162,64.643)
  other v2: 17.48,19.744 17.48,21.014 19.004,21.014 17.734,48.065 151.592,48.446 17.734,49.335 19.258,49.335 151.592,49.716 153.116,49.716 151.638,64.643 151.638,65.913 153.162,65.913